# Allegro board FEE5_10_30.brd (continued)
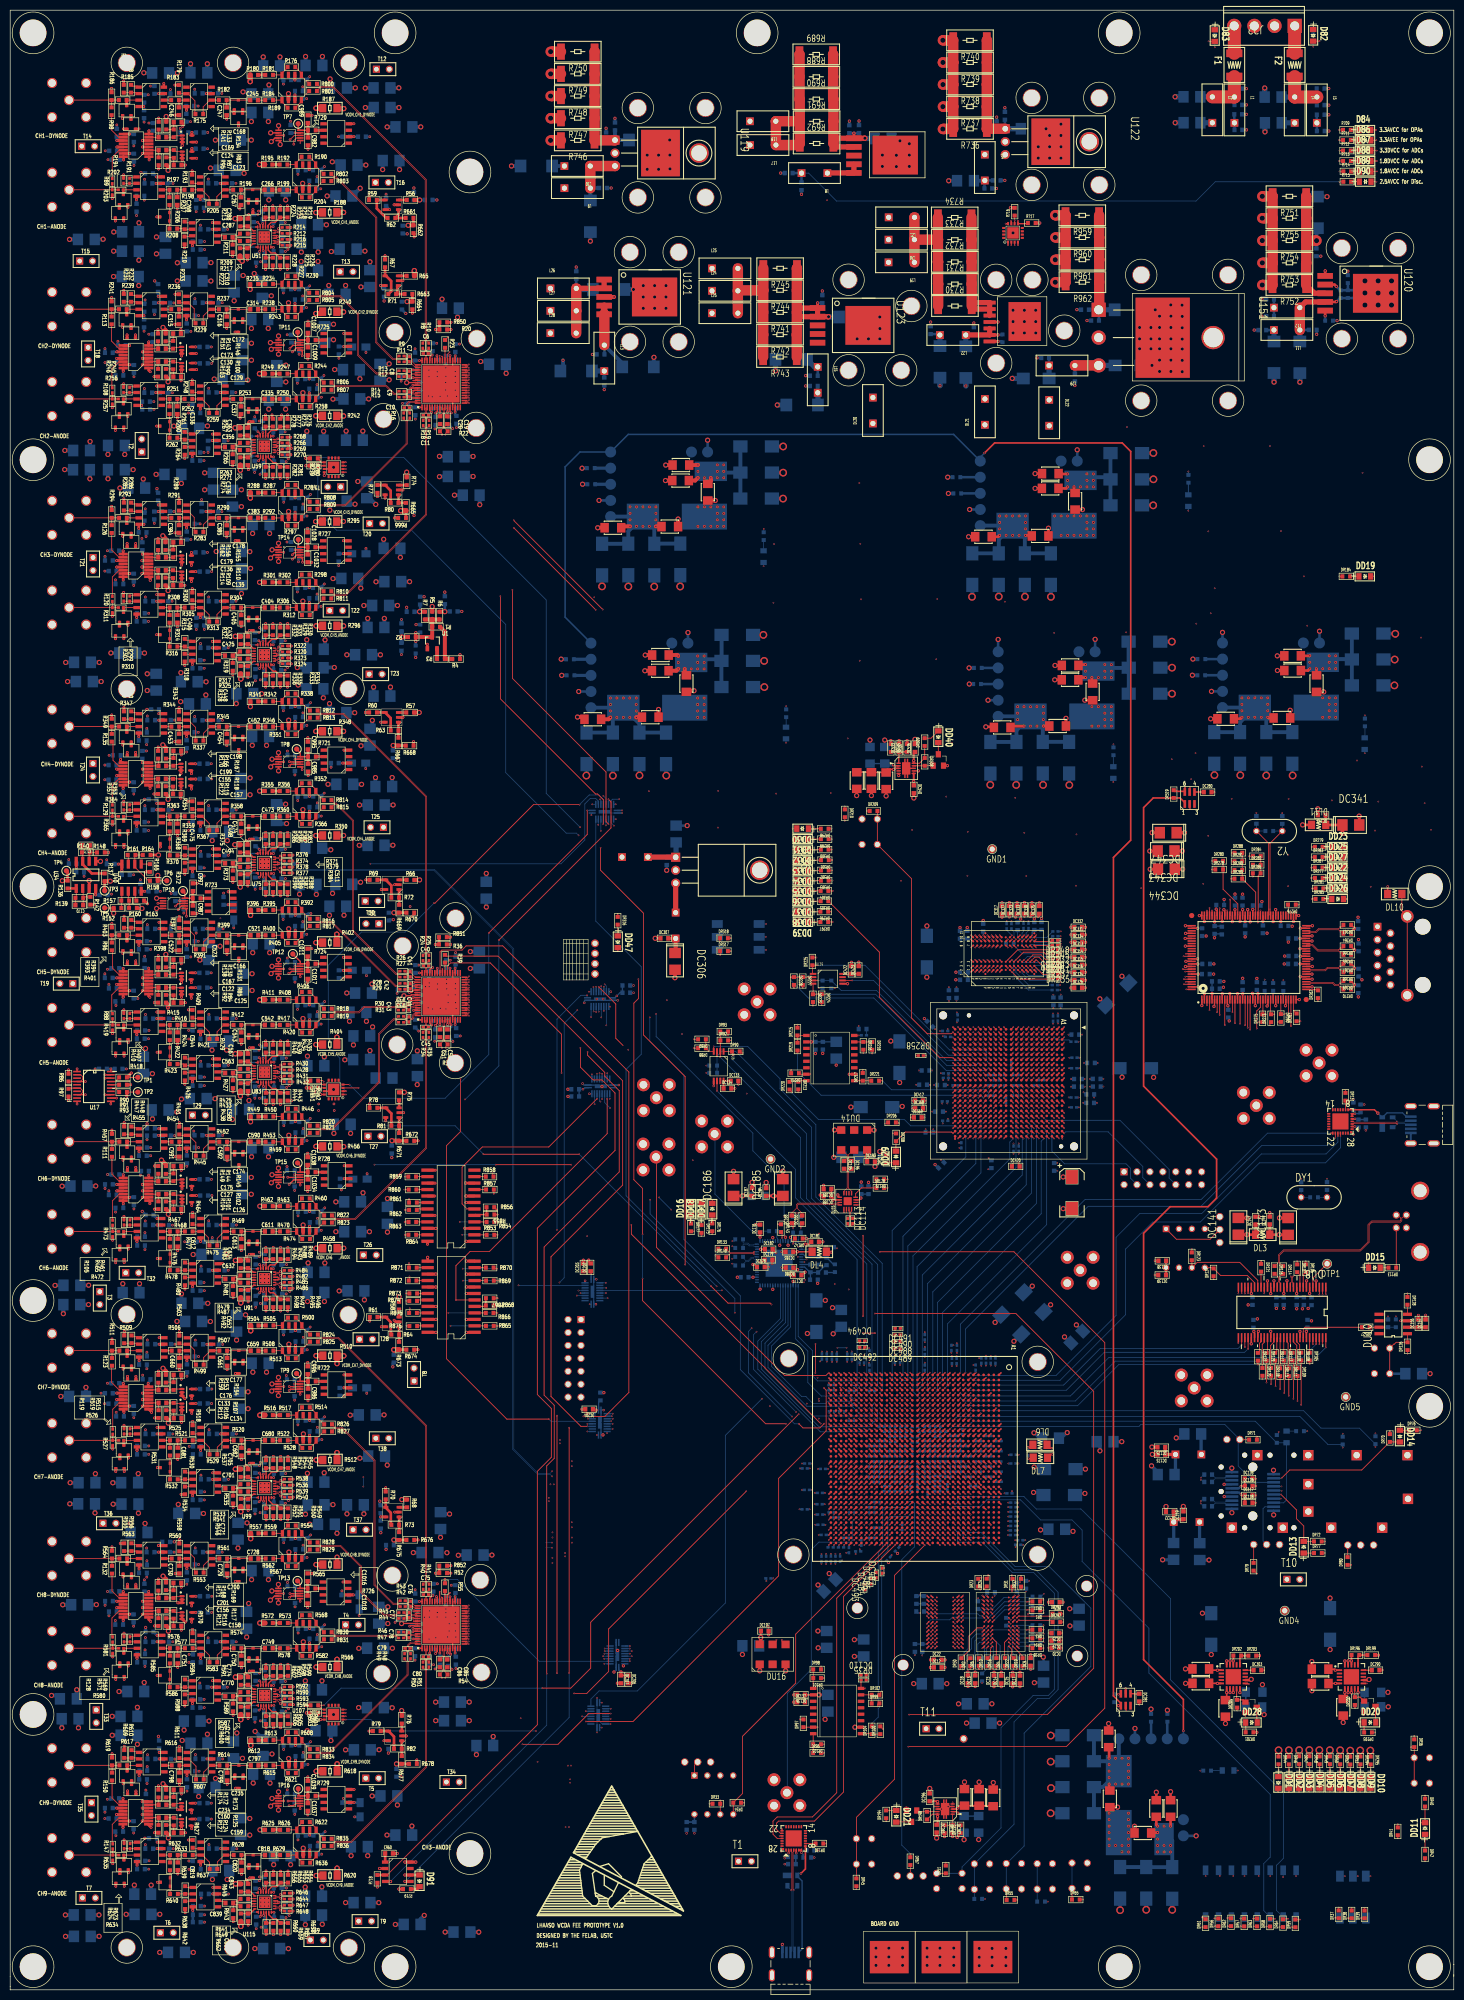
[diagram p0: board, top side]
## Routing (per net, layer and track width the routed paths; a pad name or vN(x,y) marks a point on that pad's centre or on a via; arc(x,y) is an arc through that point) (continued)
VCOM_ANODE_CH9: length 9.1
  TOP w0.762: U112.2 57.57,26.46 v5(57.57,27.82)
  TOP w1.016: R620.2 60.41,22.44 60.41,22.44 v5(60.1,22.44)
  S5 w1.016: v5(57.57,27.82) 57.57,24.97 v5(60.1,22.44)
VCOM_CH1: length 40.4
  TOP w0.508: R661.2 79.22,347.92 R662.1
  TOP w0.762: R662.1 v5(78.18,346.48)
  TOP w1.016: R187.1 64.27,369.41 v5(65.52,369.41) ; R188.1 65.48,349.02 v5(65.49,349.01)
  S5 w1.016: v5(78.18,346.48) 68.02,346.48 v5(65.49,349.01) 65.52,349.04 v5(65.52,369.41)
  BOTTOM w0.508: C866.2 78.11,346.42 v5(78.18,346.48)
VCOM_CH2: length 40.6
  TOP w0.508: R664.1 79.01,332.98 R663.2
  TOP w0.762: R664.1 78.11,331.51 78.1,331.5 v5(77.97,331.5)
  TOP w1.016: v5(65.5,329.47) 64.21,329.47 R240.1 ; v5(65.49,309.04) 65.46,309.06 R242.1
  S5 w1.016: 67.07,329.47 66.96,329.36 66.96,310.52 v5(65.49,309.04) ; 67.07,329.47 75.94,329.47 v5(77.97,331.5) ; 67.07,329.47 v5(65.5,329.47)
  BOTTOM w0.508: C868.2 77.94,331.47 v5(77.97,331.5)
VCOM_CH3: length 39.7
  TOP w0.508: R666.1 77.74,290.45 R665.2
  TOP w0.762: v5(65.47,288.34) 64.16,288.34 R295.1
  TOP w1.016: R296.1 65.11,267.83 65.12,267.83 v5(65.5,267.83) ; v5(76.71,290.45) 76.84,290.45 76.86,290.46 R665.2
  S5 w1.016: 66.75,288.34 67.05,288.03 67.05,269.39 v5(65.5,267.83) ; 66.75,288.34 v5(65.47,288.34) ; 66.75,288.34 67.43,288.34 69.55,290.46 76.69,290.46 v5(76.71,290.45)
  BOTTOM w0.508: v5(76.71,290.45) 76.72,290.44 C870.2
VCOM_CH4: length 38.1
  TOP w0.508: R668.1 77.7,244.33 R667.2
  TOP w0.762: v5(75.22,244.35) 75.4,244.35 75.41,244.33 R667.2 ; v5(65.5,226.67) 65.49,226.66 R350.1
  TOP w1.016: v5(65.49,247.12) 64.17,247.12 R348.1
  S5 w1.016: v5(65.5,226.67) 67.04,228.22 67.04,247.12 67.04,247.12 ; 67.04,247.12 v5(65.49,247.12) ; 67.04,247.12 72.45,247.12 v5(75.22,244.35)
  BOTTOM w0.508: v5(75.22,244.35) 75.19,244.31 C872.2
VCOM_CH5: length 39.8
  TOP w0.508: R669.2 R670.1
  TOP w0.762: v5(75.38,211.51) 75.47,211.51 75.48,211.51 R669.2
  TOP w1.016: v5(64.15,207.28) 64.17,207.26 R402.1 ; R404.1 v5(64.18,187.07)
  S5 w1.016: v5(75.38,211.51) 68.38,211.51 v5(64.15,207.28) 64.18,207.26 v5(64.18,187.07)
  BOTTOM w0.508: C874.2 75.37,211.5 v5(75.38,211.51)
VCOM_CH6: length 37.2
  TOP w0.508: R671.2 76.41,166.71 R672.1
  TOP w0.762: v5(65.54,145.63) 65.53,145.62 R458.1 ; R671.2 76.38,166.74 v5(74.99,166.74)
  TOP w1.016: R456.1 64.22,165.58 v5(65.52,165.58)
  S5 w1.016: v5(74.99,166.74) 73.82,165.58 67.34,165.58 ; 67.34,165.58 67.34,147.43 v5(65.54,145.63) ; 67.34,165.58 v5(65.52,165.58)
  BOTTOM w0.508: C876.2 74.96,166.72 v5(74.99,166.74)
VCOM_CH7: length 35.6
  TOP w0.508: R673.2 76.4,125.7 R674.1
  TOP w1.016: v5(75.35,125.67) 75.39,125.67 75.42,125.7 R673.2 ; v5(65.54,124.49) 64.23,124.49 R510.1 v5(64.21,122.96) ; R512.1 64.21,105.37 64.2,105.38 v5(64.2,105.49)
  S5 w1.016: v5(64.2,105.49) 64.21,105.5 v5(64.21,122.96) ; v5(75.35,125.67) 66.72,125.67 v5(65.54,124.49)
  BOTTOM w0.508: v5(75.35,125.67) 75.36,125.66 C878.2
VCOM_CH8: length 39.1
  TOP w0.508: R676.1 77.84,88.34 R675.2
  TOP w0.762: R675.2 v5(75.37,88.34) ; R565.1 64.21,83.51 v5(64.21,84.97)
  TOP w1.016: R566.1 64.21,64.89 v5(64.21,64.89)
  S5 w1.016: v5(75.37,88.34) 67.61,88.34 64.23,84.97 v5(64.21,84.97) 64.21,64.9 v5(64.21,64.89)
  BOTTOM w0.508: v5(75.37,88.34) 75.36,88.33 C880.2
VCOM_CH9: length 38.5
  TOP w0.508: R677.2 76.93,44.37 R678.1
  TOP w0.762: R677.2 75.93,44.37 75.92,44.36 v5(75.88,44.36)
  TOP w1.016: v5(64.22,23.9) 64.22,23.68 64.22,23.68 64.22,22.44 R620.1 ; v5(64.22,44.36) 64.23,44.36 R618.1
  S5 w1.016: v5(64.22,23.9) 64.22,35.9 v5(64.22,44.36) v5(75.88,44.36)
  BOTTOM w0.508: C882.2 75.87,44.35 v5(75.88,44.36)
VCOM_DYNODE_CH1: length 9.7
  TOP w0.762: U46.2 54.66,372.33 v5(54.67,372.34)
  TOP w1.016: v5(60.06,369.5) 60.4,369.5 60.4,369.49 R187.2
  S5 w1.016: v5(54.67,372.34) 54.67,371.39 56.56,369.5 v5(60.06,369.5)
VCOM_DYNODE_CH2: length 9.4
  TOP w0.762: U54.2 54.67,331.27 v5(54.68,331.27)
  TOP w1.016: R240.2 61.01,329.17 v5(60.03,329.17)
  S5 w1.016: v5(60.03,329.17) 56.05,329.17 54.68,330.54 v5(54.68,331.27)
VCOM_DYNODE_CH3: length 9.4
  TOP w0.762: v5(54.69,290.3) 54.69,289.03 U62.2
  TOP w1.016: v5(60.01,288.31) 60.28,288.31 60.29,288.31 R295.2
  S5 w1.016: v5(60.01,288.31) 55.54,288.31 54.69,289.16 v5(54.69,290.3)
VCOM_DYNODE_CH4: length 9.4
  TOP w0.762: U70.2 v5(54.7,249.32)
  TOP w1.016: v5(60.03,247.11) 60.24,247.11 60.27,247.14 R348.2
  S5 w1.016: v5(60.03,247.11) 60,247.14 55.97,247.14 54.7,248.41 v5(54.7,249.32)
VCOM_DYNODE_CH5: length 9.8
  TOP w0.762: U78.2 54.72,208.34 v5(54.71,208.35)
  TOP w1.016: R402.2 60.32,205.64 60.32,205.63 v5(60.04,205.63)
  S5 w1.016: v5(54.71,208.35) 54.71,207.07 56.15,205.63 v5(60.04,205.63)
VCOM_DYNODE_CH6: length 9.1
  TOP w0.762: v5(54.73,167.8) 54.74,167.79 U86.2
  TOP w1.016: R456.2 60.21,165.61 60.2,165.62 v5(60.06,165.62)
  S5 w1.016: v5(60.06,165.62) 60.05,165.61 56.5,165.61 54.73,167.38 v5(54.73,167.8)
VCOM_DYNODE_CH7: length 9.5
  TOP w0.762: v5(54.74,126.77) 54.74,125.51 U94.2
  TOP w1.016: R510.2 60.29,124.52 60.29,124.52 v5(60.08,124.52)
  S5 w1.016: v5(60.08,124.52) 55.97,124.52 54.74,125.74 v5(54.74,126.77)
VCOM_DYNODE_CH8: length 9.5
  TOP w0.762: v5(54.75,85.95) 54.75,84.68 U101.2
  TOP w1.016: v5(60.08,83.5) 60.27,83.5 60.28,83.51 R565.2
  S5 w1.016: v5(60.08,83.5) 60.07,83.51 56.3,83.51 54.75,85.05 54.75,85.82 v5(54.75,85.95)
VCOM_DYNODE_CH9: length 9.6
  TOP w0.762: v5(54.7,45.42) 54.77,45.35 U110.2
  TOP w1.016: v5(60.1,42.92) 60.27,42.92 R618.2
  S5 w1.016: v5(60.1,42.92) 56.42,42.92 54.7,44.63 v5(54.7,45.42)
VCP: length 4.5
  TOP w0.254: v6(154.64,144.93) 157.52,144.93 DL4.1 ; v6(154.64,144.93) 154.64,144.92 ; v6(154.64,144.93) 154.63,144.92 DC183.1
  BOTTOM w0.254: v6(154.64,144.93) 154.64,144.92 DU13.4
VREF_2V_CH1: length 3.9
  TOP w0.508: U5.1 76.28,348.55 R62.2 75.68,347.92 R661.1
VREF_2V_CH2: length 3.6
  TOP w0.508: U8.1 76.03,334.42 76.03,333.2 R71.2 77.47,332.97 R663.1
VREF_2V_CH3: length 3.1
  TOP w0.508: R665.1 R80.2 76.27,293.56 U11.1
VREF_2V_CH4: length 3.1
  TOP w0.508: U6.1 76.27,248.91 R63.2 76.27,247.28 R667.1
VREF_2V_CH5: length 3
  TOP w0.508: U9.1 76.39,216.05 R72.2 76.42,214.44 R669.1
VREF_2V_CH6: length 3
  TOP w0.508: U12.1 R81.2 76.41,169.67 R671.1
VREF_2V_CH7: length 3
  TOP w0.508: R673.1 76.39,128.65 R64.2 76.4,130.2 U7.1
VREF_2V_CH8: length 3
  TOP w0.508: R675.1 76.41,91.3 R73.2 76.4,92.85 U10.1
VREF_2V_CH9: length 3
  TOP w0.508: R677.1 76.93,47.32 R82.2 76.92,48.9 U13.1
VREF_ADC: length 13
  TOP w0.508: v8(79.68,266.48) 79.68,266.24 79.67,266.24 R2.2 79.67,264.86 v8(79.67,264.8)
  TOP w0.762: R7.1 82.91,269.09 82.9,269.09 R1.1 82.9,267.64 U1.1 82.89,265.64 R2.2 ; R6.1 84.33,269.09 R5.1
  TOP w1.016: R5.1 82.91,269.09
  BOTTOM w0.508: C4.2 80.49,266.48 v8(79.68,266.48) ; v8(79.67,264.8) 79.65,264.78 C5.2
VREF_ADC1: length 92.5
  TOP w0.254: U2.56 80.03,315.61 77.91,315.61 v5(77.89,315.58)
  TOP w0.762: v5(82.9,271.63) 82.91,271.62 R5.2 ; R56.1 80.11,351.46 80.11,351.46 v5(80.44,351.46) ; R74.1 77.89,297.93 77.89,297.93 v5(77.89,298.01)
  TOP w1.016: R65.1 79.41,337.37 79.39,337.39 v5(79.39,337.6)
  S5 w0.762: v5(79.39,337.6) 80.43,337.6 80.44,337.58 ; v5(77.89,298.01) v5(77.89,315.58)
  S5 w1.016: v5(82.9,271.63) 82.9,293 v5(77.89,298.01) ; v5(80.44,351.46) 80.44,325.05 77.89,322.5 v5(77.89,315.58)
  BOTTOM w0.508: C110.2 80.43,351.45 v5(80.44,351.46) C111.2
VREF_ADC2: length 108.3
  TOP w0.254: v5(77.35,195.2) 78.64,195.2 78.81,195.37 80.02,195.37 U3.56
  TOP w0.762: R66.1 80.3,217.94 80.31,217.95 v5(80.42,217.95) ; R75.1 77.41,176.23 v5(77.43,176.24) ; v5(85.38,270.62) 85.37,270.6 R6.2 ; v5(80.35,250.82) 80.35,250.82 R57.1
  S5 w0.762: v5(77.43,176.24) 78.7,177.52 78.7,187 77.35,188.34 v5(77.35,195.2)
  S5 w1.016: v5(77.35,195.2) 77.26,195.3 77.26,199.89 80.42,203.05 v5(80.42,217.95) 80.41,217.95 80.41,218.06 80.35,218.12 v5(80.35,250.82) 85.38,255.84 v5(85.38,270.62)
  BOTTOM w0.508: C113.2 85.42,270.66 v5(85.38,270.62) C112.2
VREF_ADC3: length 230.6
  TOP w0.254: v5(76.89,71.91) 76.92,71.94 80.02,71.94 U4.56
  TOP w0.762: v5(80.42,270.62) 80.65,270.62 80.65,270.61 R7.2 ; R68.1 77.02,96.27 77.02,96.26 v5(76.92,96.26) ; v5(76.91,54.83) 76.93,54.81 R76.1 ; R58.1 76.39,136 76.4,136.01 v5(76.4,136.13)
  S5 w0.762: v5(76.4,136.13) 76.4,96.79 v5(76.92,96.26) 77.65,95.54 77.65,72.67 v5(76.89,71.91) 76.89,54.84 v5(76.91,54.83)
  S5 w1.016: v5(76.4,136.13) 76.4,170.23 73.4,173.22 73.4,206.8 77.23,210.64 77.23,214.39 78.17,215.32 78.17,268.46 80.32,270.62 v5(80.42,270.62)
  BOTTOM w0.508: C114.2 80.53,270.73 v5(80.42,270.62) 80.39,270.59 C115.2
VREF_DAC1: length 5.9
  TOP w0.254: R720.1 58.49,365.14 U128.10 56.83,365.14 56.57,365.39 TP7.1
  TOP w0.508: C989.1 58.49,366.56 R720.1 58.5,365.14 C982.2
VREF_DAC2: length 6.2
  TOP w0.254: R725.1 58.47,323.96 U136.10 56.72,323.96 56.47,324.22 TP11.1
  TOP w0.508: C1007.2 58.49,325.36 R725.1 58.48,323.95 C1009.1
VREF_DAC3: length 6
  TOP w0.254: R727.1 U142.10 56.85,283.27 56.6,283.52 TP14.1
  TOP w0.508: C1032.1 R727.1 58.43,284.69 C1028.2
VREF_DAC4: length 6.2
  TOP w0.254: R721.1 58.51,242.15 U129.10 56.98,242.93 TP8.1
  TOP w0.508: C985.2 58.52,240.74 R721.1 58.52,243.54 C995.1
VREF_DAC5: length 6.9
  TOP w0.254: TP12.1 56.98,201.94 U137.10 58.45,201.48 R724.1
  TOP w0.508: C1011.2 58.45,202.9 R724.1 C1017.1
VREF_DAC6: length 6.4
  TOP w0.254: 58.45,160.56 U143.10 56.97,161.85 TP15.1
  TOP w0.508: C1034.2 58.45,160.55 R728.1 58.44,160.56 C1038.1
VREF_DAC7: length 6.3
  TOP w0.254: R722.1 58.49,119.47 U130.10 56.97,120.32 TP9.1
  TOP w0.508: C986.2 58.5,119.46 R722.1 58.49,120.88 C996.1
VREF_DAC8: length 6
  TOP w0.254: R726.1 58.42,78.82 U138.10 56.95,78.84 56.95,79.79 56.45,80.28 TP13.1
  TOP w0.508: C1018.1 R726.1 58.42,80.25 C1016.2
VREF_DAC9: length 5.9
  TOP w0.254: R729.1 58.46,38.09 U144.10 56.59,38.47 TP16.1
  TOP w0.508: C1039.1 R729.1 58.47,38.08 C1037.2
VREF_DAC_CALIB: length 6
  TOP w0.254: TP10.1 34.3,215.39 U131.10 35.86,214.34 R723.1
  TOP w0.508: C997.1 35.87,215.7 R723.1 35.89,214.31 C987.2
VS_3.3: length 25.4
  TOP w0.152: v1(137.9,148.37) 137.91,148.38 DR176.2 ; DR175.2 v1(135.79,148.05) ; DR177.2 133.73,148.94 134.33,148.94 v1(134.34,148.95)
  TOP w0.254: DC182.1 v6(147.44,145.42) ; DC180.1 154.26,141.42 v6(154.67,141.42) ; DC176.1 147.3,148.73 v6(147.3,147.81) ; v6(156.13,140.92) 155.55,140.35 DC177.1 ; v6(147.45,142.92) 147.79,142.92 DC179.1 ; DC178.1 146.2,142.42 v6(145.92,142.42) ; v6(156.22,146.42) 156.89,146.42 DC181.1
  TOP w0.508: DC185.1 149.97,155.88 v5(149.96,155.89) 149.95,155.9 DC184.1
  BOTTOM w0.254: v6(152.82,146.2) 152.8,146.2 DU13.60 ; DU13.35 v6(145.92,139.92) 145.04,139.92 DC175.1 ; DU13.57 151.3,146.34 151.17,146.21 v6(151.17,146.2) ; DU13.11 v6(154.67,141.42) ; DU13.49 v6(147.3,147.81) ; DU13.1 156.22,146.42 v6(156.22,146.42) ; DU13.41 v6(147.45,142.92) ; DU13.61 153.3,147.85 153.28,147.85 v6(153.28,147.77) ; DU13.27 v6(149.8,137.55) ; DU13.40 v6(145.92,142.42) ; DU13.46 v6(147.44,145.42) ; DU13.54 v6(149.8,147.7) ; DU13.32 v6(147.3,137.58) ; DU13.12 v6(156.13,140.92)
  BOTTOM w0.508: DL5.1 v5(149.96,155.89)
VSTEP_ANODE_CH1: length 9.7
  TOP w0.254: U128.2 51.17,364.64 v5(51.16,364.65)
  TOP w1.016: v5(48.96,358.45) 48.98,358.42 49.96,358.42 49.97,358.42 R195.1
  S5 w1.016: v5(48.96,358.45) 48.96,362.44 v5(51.16,364.65)
VSTEP_ANODE_CH2: length 10.1
  TOP w0.254: v5(51.11,323.45) 52.71,323.45 U136.2
  TOP w1.016: R249.1 48.97,317.35 v5(48.97,317.35)
  S5 w1.016: v5(51.11,323.45) 50.33,323.45 48.97,322.09 v5(48.97,317.35)
VSTEP_ANODE_CH3: length 10.3
  TOP w0.254: U142.2 51.49,282.77 51.49,282.77 v5(51.45,282.77)
  TOP w0.762: R301.1 48.99,276.38 v5(48.99,276.39)
  S5 w1.016: v5(51.45,282.77) 50.48,282.77 48.99,281.27 v5(48.99,276.39)
VSTEP_ANODE_CH4: length 10.3
  TOP w0.254: v5(51.44,241.65) 51.52,241.65 51.52,241.65 U129.2
  TOP w0.762: R355.1 49,235.39 v5(49,235.4)
  S5 w1.016: v5(49,235.4) 49,240.44 50.2,241.65 v5(51.44,241.65)
VSTEP_ANODE_CH5: length 10.7
  TOP w0.254: U137.2 v5(51.44,200.98)
  TOP w1.016: v5(49.02,194.4) 49.04,194.42 R411.1
  S5 w1.016: v5(51.44,200.98) 50.03,200.98 49.02,199.96 v5(49.02,194.4)
VSTEP_ANODE_CH6: length 9.9
  TOP w0.254: U143.2 v5(51.43,160.06)
  TOP w0.762: R462.1 49.04,153.88 v5(49.04,153.88)
  S5 w1.016: v5(51.43,160.06) 50.59,160.06 49.04,158.5 v5(49.04,153.88)
VSTEP_ANODE_CH7: length 9.9
  TOP w0.254: U130.2 v5(51.43,118.97)
  TOP w1.016: R516.1 49.05,112.85 v5(49.05,112.85)
  S5 w1.016: v5(51.43,118.97) 50.55,118.97 49.05,117.47 v5(49.05,112.85)
VSTEP_ANODE_CH8: length 10.3
  TOP w0.254: U138.2 v5(51.41,78.32)
  TOP w1.016: R572.1 v5(49.04,72.03)
  S5 w1.016: v5(49.04,72.03) 49.04,77.17 50.2,78.32 v5(51.41,78.32)
VSTEP_ANODE_CH9: length 10.1
  TOP w0.254: v5(51.43,37.58) 51.45,37.58 51.47,37.59 U144.2
  TOP w0.762: v5(49.06,31.41) 49.07,31.42 R625.1
  S5 w1.016: v5(49.06,31.41) 49.06,36.26 50.38,37.58 v5(51.43,37.58)
VSTEP_DYNODE_CH1: length 13.2
  TOP w0.254: U128.1 v5(52.72,366.05)
  TOP w1.016: v5(47.14,374.7) 47.16,374.72 R180.1
  S5 w1.016: v5(52.72,366.05) 52.72,369.11 v5(47.14,374.7)
VSTEP_DYNODE_CH2: length 13.3
  TOP w0.254: U136.1 52.71,323.97 52.71,324.75 v5(52.72,324.75)
  TOP w0.762: R235.1 47.17,333.92 v5(47.15,333.91)
  S5 w1.016: v5(47.15,333.91) 52.71,328.34 52.71,324.75 v5(52.72,324.75)
VSTEP_DYNODE_CH3: length 13
  TOP w0.254: v5(52.72,284.06) 52.72,283.27 52.72,283.27 U142.1
  TOP w1.016: R288.1 47.18,292.94 v5(47.19,292.94)
  S5 w1.016: v5(47.19,292.94) 52.72,287.4 v5(52.72,284.06)
VSTEP_DYNODE_CH4: length 13.1
  TOP w0.254: U129.1 52.71,242.84 52.71,242.84 v5(52.71,242.93)
  TOP w0.762: R341.1 47.19,251.96 v5(47.19,251.95)
  S5 w1.016: v5(47.19,251.95) 52.71,246.43 v5(52.71,242.93)
VSTEP_DYNODE_CH5: length 12.8
  TOP w0.254: U137.1 v5(52.71,202.27)
  TOP w1.016: v5(47.22,210.98) 47.22,210.99 R396.1
  S5 w1.016: v5(47.22,210.98) 52.71,205.49 v5(52.71,202.27)
VSTEP_DYNODE_CH6: length 13.2
  TOP w0.254: U143.1 v5(52.7,161.34)
  TOP w0.762: v5(47.23,170.43) 47.24,170.44 R449.1
  S5 w1.016: v5(47.23,170.43) 52.7,164.96 v5(52.7,161.34)
VSTEP_DYNODE_CH7: length 13.2
  TOP w0.254: v5(52.7,120.26) 52.7,120.09 52.7,120.09 U130.1
  TOP w1.016: v5(47.25,129.41) 47.25,129.41 R504.1
  S5 w1.016: v5(47.25,129.41) 52.7,123.95 v5(52.7,120.26)
VSTEP_DYNODE_CH8: length 13.1
  TOP w0.254: U138.1 v5(52.69,79.61)
  TOP w1.016: R557.1 v5(47.24,88.59)
  S5 w1.016: v5(52.69,79.61) 52.69,83.14 v5(47.24,88.59)
VSTEP_DYNODE_CH9: length 13.2
  TOP w0.254: v5(52.71,38.88) 52.71,38.71 52.7,38.69 U144.1
  TOP w1.016: R612.1 47.26,47.98 v5(47.25,47.98)
  S5 w1.016: v5(47.25,47.98) 52.71,42.51 v5(52.71,38.88)
VTTDDR3: length 36.1
  TOP w0.152: DR4.1 v1(195.43,63) ; v1(185.13,36.8) 185.13,36.8 DU34.5 ; DC19.2 204.05,68.59 v1(204.02,68.56) ; v1(203.03,70.74) 203,70.72 DR3.1 ; DR16.1 193.71,62.98 v1(193.71,62.98) ; DR14.1 203,69.02 v1(203.01,69.02) ; DR2.1 v1(188.61,63.03) ; v1(202.99,67.1) 202.98,67.09 DR18.1 ; DC20.2 203.92,67.16 v1(203.91,67.14) ; DR1.1 202.99,74.52 v1(203.01,74.54) ; DR22.1 v1(197.11,63.02) ; v1(190.3,62.98) 190.29,62.99 DR6.1 ; DC25.2 204.01,70.04 v1(203.99,70.02) ; DR19.1 v1(198.87,62.99) ; DR10.1 192.18,63.61 192.34,63.45 192.34,62.99 v1(192.38,62.95)
  TOP w0.305: v6(198.37,62.33) 198.36,62.33 DC17.2 ; DC23.2 193.26,62.33 v6(193.27,62.34) ; DC24.2 v6(204,76.12) ; DC22.2 183.63,64.78 v6(183.63,64.79) ; DC13.2 v6(189.57,62.36) ; DC15.2 196.93,62.33 v6(196.93,62.34) ; DU34.3 185.13,35.49 185.89,35.49 v6(186,35.61) 186.56,36.16 DC293.1 190.32,36.16 DC294.1 193.02,36.15 DC295.1 ; DC18.2 188.14,62.38 v6(188.14,62.39) ; DC14.2 v6(194.69,62.34) ; DC12.2 v6(183.62,63.31)
  BOTTOM w0.152: DR15.1 v1(194.46,62.98) ; DR21.1 v1(197.93,62.99) ; v1(192.92,62.99) 192.76,63.15 DR8.1 ; DR12.1 202.58,73.57 v1(203.02,74.01) ; DR7.1 v1(191,63.03) ; DR20.1 202.99,71.58 v1(202.99,71.59) ; DR5.1 v1(189.29,63.02) ; v1(203.05,69.93) 202.37,69.93 DR11.1 ; DR9.1 v1(196.16,62.98) ; DR17.1 202.36,68.24 v1(203.01,68.24) ; DR13.1 v1(203.04,75.47)
  BOTTOM w0.508: v5(208.17,71.45) 209.89,71.45 DC26.1 ; v5(186.29,56.15) 186.47,56.15 186.48,56.16 DC21.1 ; DC16.1 203.01,65.28 v5(202.95,65.34)
VTTDDR3_S6: length 32.9
  TOP w0.152: DR245.2 206.03,205.16 206.29,205.42 v1(206.39,205.42) ; DR243.2 206.15,203.27 v1(206.45,203.57) ; v1(206.35,206.41) 206.03,206.09 DR248.2 ; v1(206.31,202.55) 206.23,202.55 205.99,202.31 DR251.2 ; DR237.2 v1(206.42,201.36) ; v1(206.37,204.48) 206.28,204.48 206.02,204.22 DR232.2 ; DR235.2 205.89,200.47 v1(206.31,200.47)
  TOP w0.254: DC333.1 199.25,210.78 v1(199.25,210.62) ; v6(208.4,199.79) 208.4,199.79 DC316.1 ; DC539.1 166.31,239.1 DC538.1 169.23,239.04 DC537.1 ; DC315.1 v6(208.37,201.26) ; v6(208.4,207.17) 208.41,207.17 DC331.1 ; DC324.1 v6(208.41,198.25) ; v1(200.39,210.64) 200.71,210.97 DC330.1 ; v6(197.49,210.66) 197.49,211 DC323.1 ; DC314.1 v6(208.4,202.75) ; DC325.1 202.17,210.91 v1(201.85,210.6) ; DC334.1 v6(208.4,205.69) ; DC317.1 v6(194.83,210.64) ; DC332.1 208.38,208.65 v6(208.38,208.65) ; DU43.5 v6(174.54,238.44) ; DC313.1 v6(208.38,204.26) ; DC327.1 v6(196.28,210.7) ; DC326.1 v6(208.39,196.76)
  TOP w0.305: DC537.1 172.08,239.4 172.33,239.65 v6(173.51,239.65) 173.59,239.73 173.73,239.73 173.85,239.85 DU43.3
  BOTTOM w0.152: v1(206.42,200) 206.38,200 206.35,200.03 205.88,200.03 DR239.2 ; DR238.2 205.94,201.15 206.24,200.85 v1(206.32,200.85) ; DR244.2 200.03,209.92 v1(200.04,209.92) ; v1(206.45,198.97) 206.41,199.02 206.02,199.02 205.86,199.17 DR240.2 ; DR246.2 v1(199.06,209.93) ; DR242.2 v1(206.29,196.32) ; v1(206.35,197.88) 206.02,198.21 DR234.2 ; DR233.2 v1(206.33,202.07) ; DR241.2 v1(206.37,205.92) ; DR249.2 v1(206.35,206.89) ; DR247.2 v1(206.4,204.02) ; DR250.2 v1(206.39,207.83) ; DR236.2 v1(206.36,204.97) ; DR252.2 v1(206.39,203.05)
VTTREF3: length 5.9
  TOP w0.152: DU1.J8 v1(186.41,70.27)
  TOP w0.254: DU1.E1 v1(180.06,74.23) ; DU2.J8 v1(197.33,70.27) ; DU2.E1 v1(190.98,74.23)
  TOP w0.381: DC296.1 182.09,37.03 v6(182.18,36.94) DU34.6
  BOTTOM w0.254: DC1.2 190.43,74.78 v1(190.98,74.23) ; DC27.2 179.58,74.23 v1(180.06,74.23)
VTTREF3_S6: length 7.9
  TOP w0.254: DU37.M8 v1(195.2,182.04) ; DU40.H1 v1(194.38,199.88) ; DU40.M8 v1(198.36,206.26) ; DU37.P8 v1(193.2,182.04) ; DU37.K8 v1(198.06,182.04) ; DU37.B1 v1(206.06,189.04)
  TOP w0.381: DU43.6 177.49,237.29 v6(177.48,237.28) 177.49,237.27 177.49,236.54 DC540.1
  BOTTOM w0.152: v1(198.36,206.26) 197.89,206.74 DC312.1
XTAL1_25MHZ_ENET: length 20.9
  TOP w0.152: DU41.76 247.21,211.07 247.21,212.06 247.21,212.21 247.21,225.13 Y2.2
  BOTTOM w0.152: DC339.2 244.81,228.97 Y2.2 246.58,227.54 DR271.2
XTAL2_25MHZ_ENET: length 20.8
  TOP w0.152: DU41.75 247.48,211.07 247.48,212.06 247.48,212.21 247.48,225.13 Y2.1
  BOTTOM w0.152: DC340.2 249.89,228.96 Y2.1 248.11,227.54 DR271.1
XTALIN: length 24.2
  TOP w0.102: DU8.12 251.53,138.04 251.53,138.85 251.66,138.98 251.66,139.9 251.56,140 v1(251.56,140.08)
  S1 w0.102: v1(251.56,140.08) 251.56,140.16 251.66,140.27 251.66,146.46 256.04,150.83 256.04,153.71 254.14,155.62 DY1.1
  BOTTOM w0.102: DC145.2 253.59,157.04 DY1.1 DR125.2
XTALOUT: length 24.2
  TOP w0.102: v1(251.99,140.08) 251.99,140 251.88,139.89 251.88,138.97 252.01,138.85 252.01,138.05 DU8.11
  S1 w0.102: DY1.2 258.16,155.62 256.25,153.71 256.25,150.74 251.88,146.37 251.88,140.28 251.99,140.17 v1(251.99,140.08)
  BOTTOM w0.102: DC140.2 DY1.2 DR125.1
N00608: length 1.8
  TOP w0.152: DU12.9 262.31,174.59 DR131.2
N00932: length 1.7
  TOP w0.508: U126.1 C960.1
N01089: length 16.3
  TOP w0.152: DR206.2 174.14,170.17 v1(174.54,170.17) ; DU37.V18 v1(189.2,171.18)
  S2 w0.152: v1(189.2,171.18) 189.2,171.15 188.65,170.61 174.98,170.61 v1(174.54,170.17)
N01228: length 3.2
  TOP w0.152: DU8.8 254,140.43 DR106.2
N01232: length 3.2
  TOP w0.152: DU8.9 253.36,140.38 DR107.2
N01260: length 3.1
  TOP w0.102: DU8.16 248.89,138.78 249.1,138.99 249.1,139.96 248.48,140.59 DR116.2
N01280: length 3.1
  TOP w0.152: DR121.2 245.72,141.02 DU8.21
N01360: length 3
  TOP w0.152: DU8.51 255.27,125.11 DR105.1
N01376: length 3.3
  TOP w0.152: DR108.1 253.31,125.41 253.31,126.65 252.73,127.23 DU8.47
N01380: length 6.3
  TOP w0.152: DR109.1 252.74,122.19 252.74,126.55 252.09,127.2 DU8.46
N01384: length 3.1
  TOP w0.152: DU8.45 251.52,127.99 251.52,125.47 DR110.1
N01388: length 6.2
  TOP w0.152: DU8.44 250.82,127.21 251.04,126.99 251.04,122.17 DR111.1
N01392: length 3
  TOP w0.152: DU8.43 250.19,128.06 DR112.1
N01396: length 6.1
  TOP w0.152: DU8.42 249.46,128 DR115.1
N01400: length 3.1
  TOP w0.152: DU8.41 248.82,127.99 248.82,125.42 DR117.1
N01404: length 6.3
  TOP w0.152: DR118.1 247.61,122.18 247.61,126.55 248.26,127.2 DU8.40
N01419: length 3.1
  TOP w0.152: DU8.38 246.99,125.27 DR119.1
N01423: length 6.1
  TOP w0.152: DU8.37 246.35,127.15 245.96,126.76 245.96,122.14 DR120.1
N01427: length 3.2
  TOP w0.152: DR122.1 245.43,125.4 245.43,126.98 245.72,127.27 DU8.36
N02745: length 2
  TOP w0.152: DU11.9 DR130.2
N02838: length 1.6
  TOP w0.152: DD15.2 270.73,141.79 DR113.2
N03009: length 1.5
  TOP w0.508: R720.2 61.56,365.14 U132.6
N03133: length 3.1
  TOP w0.102: DR114.2 249.93,140.59 249.32,139.98 249.32,138.99 249.53,138.78 DU8.15
N04524: length 12.2
  TOP w0.152: DU9.1 229.09,147.39 235.71,147.39 DJ9.2
N05579: length 3.7
  TOP w0.152: R189.1 54.48,369.62 53.39,370.71 U46.1 53.39,371.06 R184.2
N05764: length 5.2
  TOP w0.152: DR127.1 DU10.7 v1(269.94,130.1)
  BOTTOM w0.152: DR129.1 272.2,130.11 DC151.1 270.65,130.1 v1(269.94,130.1)
N05923: length 1.9
  TOP w0.152: DR128.2 274.49,134.51 DU10.4
N05963: length 4.4
  TOP w0.102: U46.5 57.2,375.8 R800.1
  TOP w0.152: R176.2 57.2,376.36 U46.5
N05975: length 3.7
  TOP w0.152: R181.2 U46.8 53.39,376.37 54.48,377.46 R176.1
N06037: length 4.4
  TOP w0.102: U46.4 57.2,371.33 R801.1
  TOP w0.152: U46.4 57.2,370.76 R189.2
N06062: length 13.7
  TOP w0.152: DSW10.4 DSW10.3 271.78,126.78 271.89,126.78 272.26,127.15 DR126.2 274.49,127.15 DU10.1
  BOTTOM w0.508: DC150.1 271.01,120.99 DSW10.4
N09117: length 1.4
  TOP w0.152: R183.1 31.62,371.07 U44.6
N09577: length 3.6
  TOP w0.152: U47.3 24.81,353.46 R202.2
  TOP w0.508: R202.2 22.23,353.46 D5.3
N09769: length 4.5
  TOP w0.102: U49.5 60,358.2 61.56,356.64 R802.1
  TOP w0.152: U49.5 60,358.72 58.79,359.94 R190.2
N09795: length 3.7
  TOP w0.152: R190.1 57.24,359.82 56.19,358.78 U49.8 56.18,358.42 R192.2
N09841: length 3.7
  TOP w0.152: R204.1 57.29,352.03 56.19,353.13 U49.1 56.19,353.46 R199.2
N09859: length 4.4
  TOP w0.102: R803.1 61.47,355.19 60,353.72 U49.4
  TOP w0.152: R204.2 60,353.15 U49.4
N12014: length 2.6
  TOP w0.152: R194.2 23.44,354.72 R191.1 24.81,354.72 U47.2
N12034: length 1.5
  TOP w0.152: U47.1 24.69,355.86 23.57,355.86 R191.2
N12647: length 3
  TOP w0.152: 31.29,353.46 31.28,353.45 U47.6 ; 31.29,353.46 R207.1 ; 31.29,353.46 R197.1
N12881: length 4.7
  TOP w0.152: R207.2 31.29,350.48 D9.2 D9.1 31.3,347.34 R208.1
N13646: length 1.6
  TOP w0.152: R210.1 35.6,344.28 U50.3
N13666: length 3
  TOP w0.152: U50.2 35.75,345.7 R206.2 34.14,345.83 R208.2
N13674: length 1.6
  TOP w0.152: R206.1 34.52,346.98 U50.1
N33206: length 2.9
  TOP w0.152: C246.1 33.15,371.07 R183.2 34.62,371.07 U45.3
N35681: length 2.9
  TOP w0.152: R198.1 34.24,353.46 R197.2 32.82,353.45 C268.1
N37659: length 1.9
  TOP w0.152: DR143.2 151.63,148.58 v1(151.63,147.66)
  BOTTOM w0.152: DU13.58 151.75,147.08 151.75,147.54 v1(151.63,147.66)
N37709: length 1.7
  TOP w0.152: DR177.1 133.73,150.47 DD16.1
N37745: length 1.7
  TOP w0.152: DD17.1 137.92,150.49 DR176.1
N37807: length 2
  TOP w0.152: DR175.1 135.8,150.17 DD18.1
N38953: length 2
  BOTTOM w0.152: DU13.3 157.22,145.42 DR152.1
N39277: length 1.8
  TOP w0.152: DR142.2 153.8,147.18 v1(153.8,146.48)
  BOTTOM w0.152: DU13.62 v1(153.8,146.48)
N55637: length 1.8
  BOTTOM w0.254: DR174.1 161.92,140.85 DC173.1
N63627: length 3.9
  TOP w0.254: R856.2 93.6,153.64 R855.2 91.36,152.23 U148.5
N64384: length 2.2
  TOP w0.152: U148.23 79.77,148.25 R864.1
N64861: length 3.7
  TOP w0.254: U149.5 93.26,134.19 R868.2 93.44,135.78 R867.2
N65071: length 2.1
  TOP w0.152: U149.23 79.99,130.38 R876.1
N635951: length 2.4
  TOP w0.152: R853.2 U148.2
N635953: length 2.4
  TOP w0.152: U148.4 91.2,150.79 R854.2
N635959: length 2.2
  TOP w0.152: R858.2 91.2,159.68 U148.11
N647751: length 2.2
  TOP w0.152: R870.2 93.43,141.81 U149.11
N648411: length 2.2
  TOP w0.152: U149.2 93.46,130.38 R865.2
N648413: length 2.2
  TOP w0.152: R866.2 93.42,132.92 U149.4
N1744333: length 3.4
  BOTTOM w0.508: DR187.1 224.12,52.63 DU27.8
N1747283: length 3.9
  BOTTOM w0.508: DU29.9 DR189.1
N1747323: length 3.2
  BOTTOM w0.508: DU30.9 DR190.1
N1747480: length 3.4
  BOTTOM w0.635: DR186.1 110.72,261.27 DU28.9
N1747548: length 3.4
  BOTTOM w0.508: DR185.1 227.29,52.62 DU27.9
N1747596: length 3.1
  BOTTOM w0.635: DR181.1 114.82,298.8 DU26.9
N1747646: length 3.4
  BOTTOM w0.508: DR180.1 234.76,261.31 DU25.9
N1749262: length 1.8
  TOP w0.254: DC280.1 234.45,235.21 DU31.4
N1753973: length 5.3